# Altium PCB PCB_IoT_Source.PcbDoc
Units mm, origin at the board's own origin, x right, y up, seen from the top; angles counter-clockwise.
Board outline 43.02 x 63 mm, 2 copper layers (Top Layer, Bottom Layer), stack 1.571 mm thick; 69 components, 29 nets, 129 pads, 23 vias.
Unrouted connection lines stored in the file: 1.
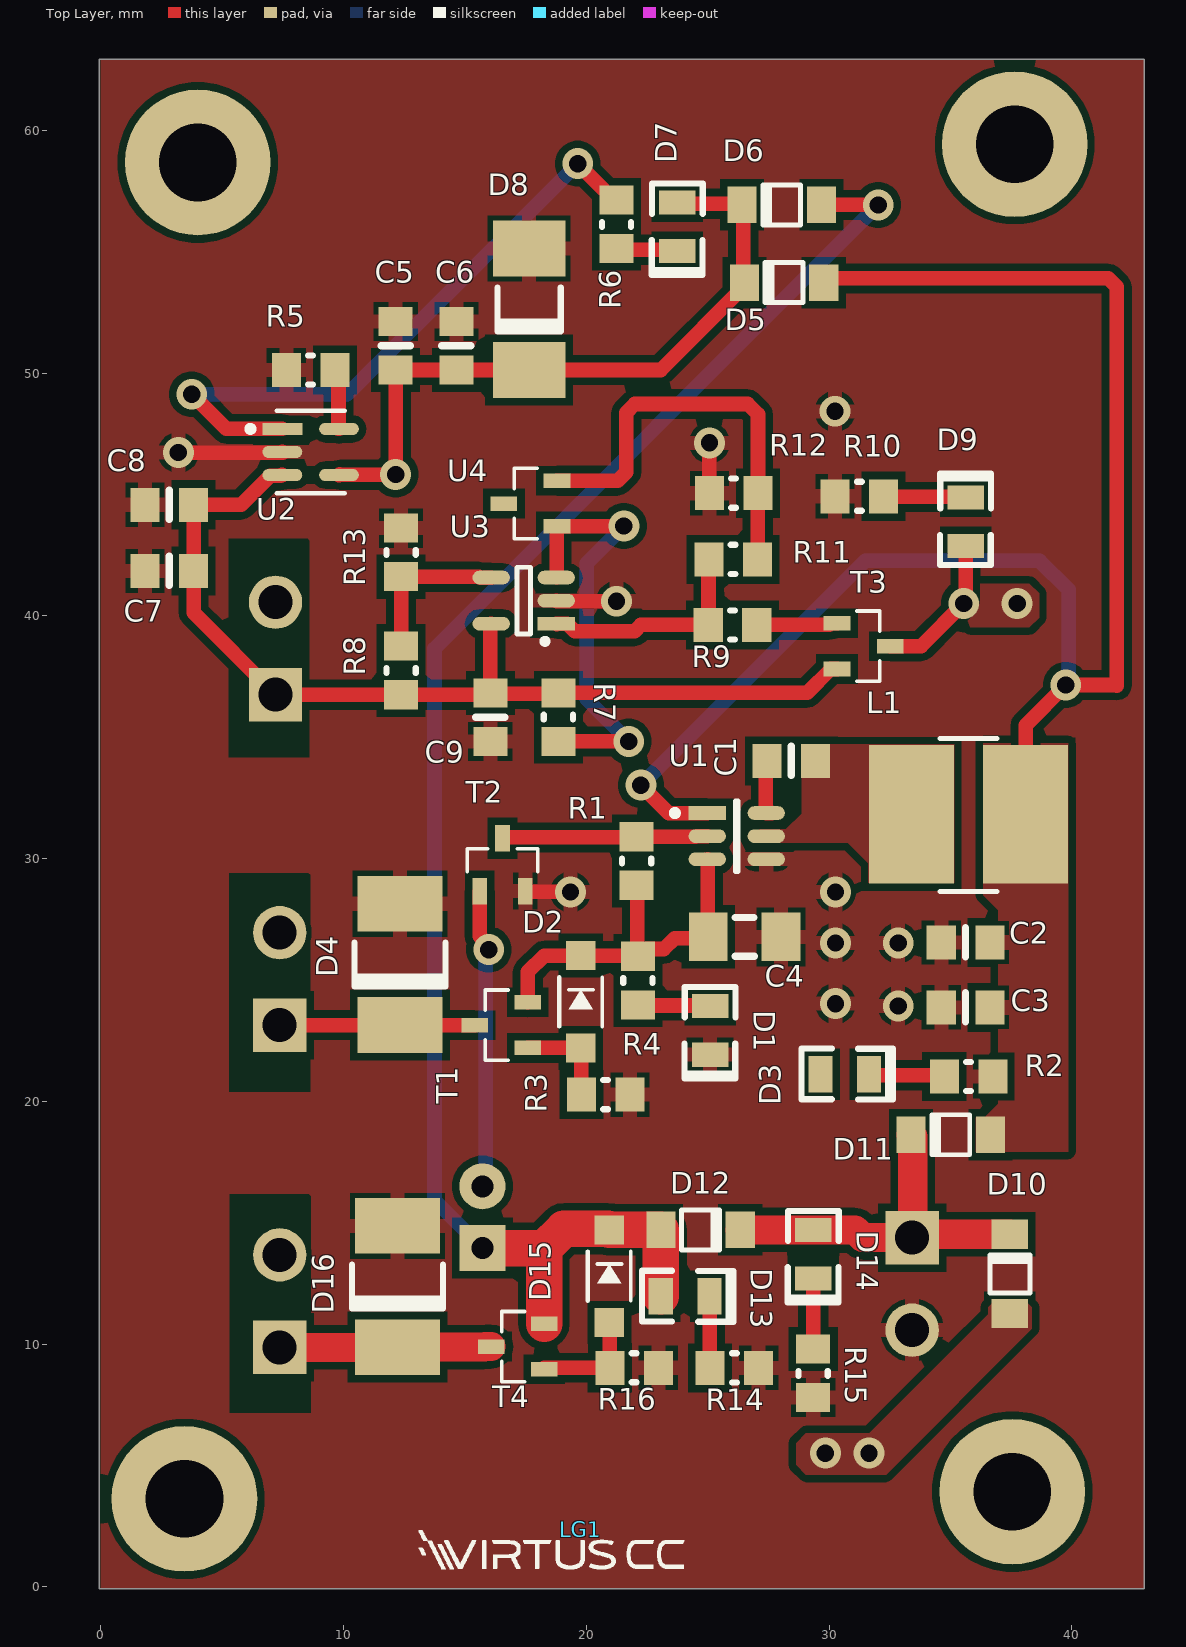
[diagram p0: Top Layer view]
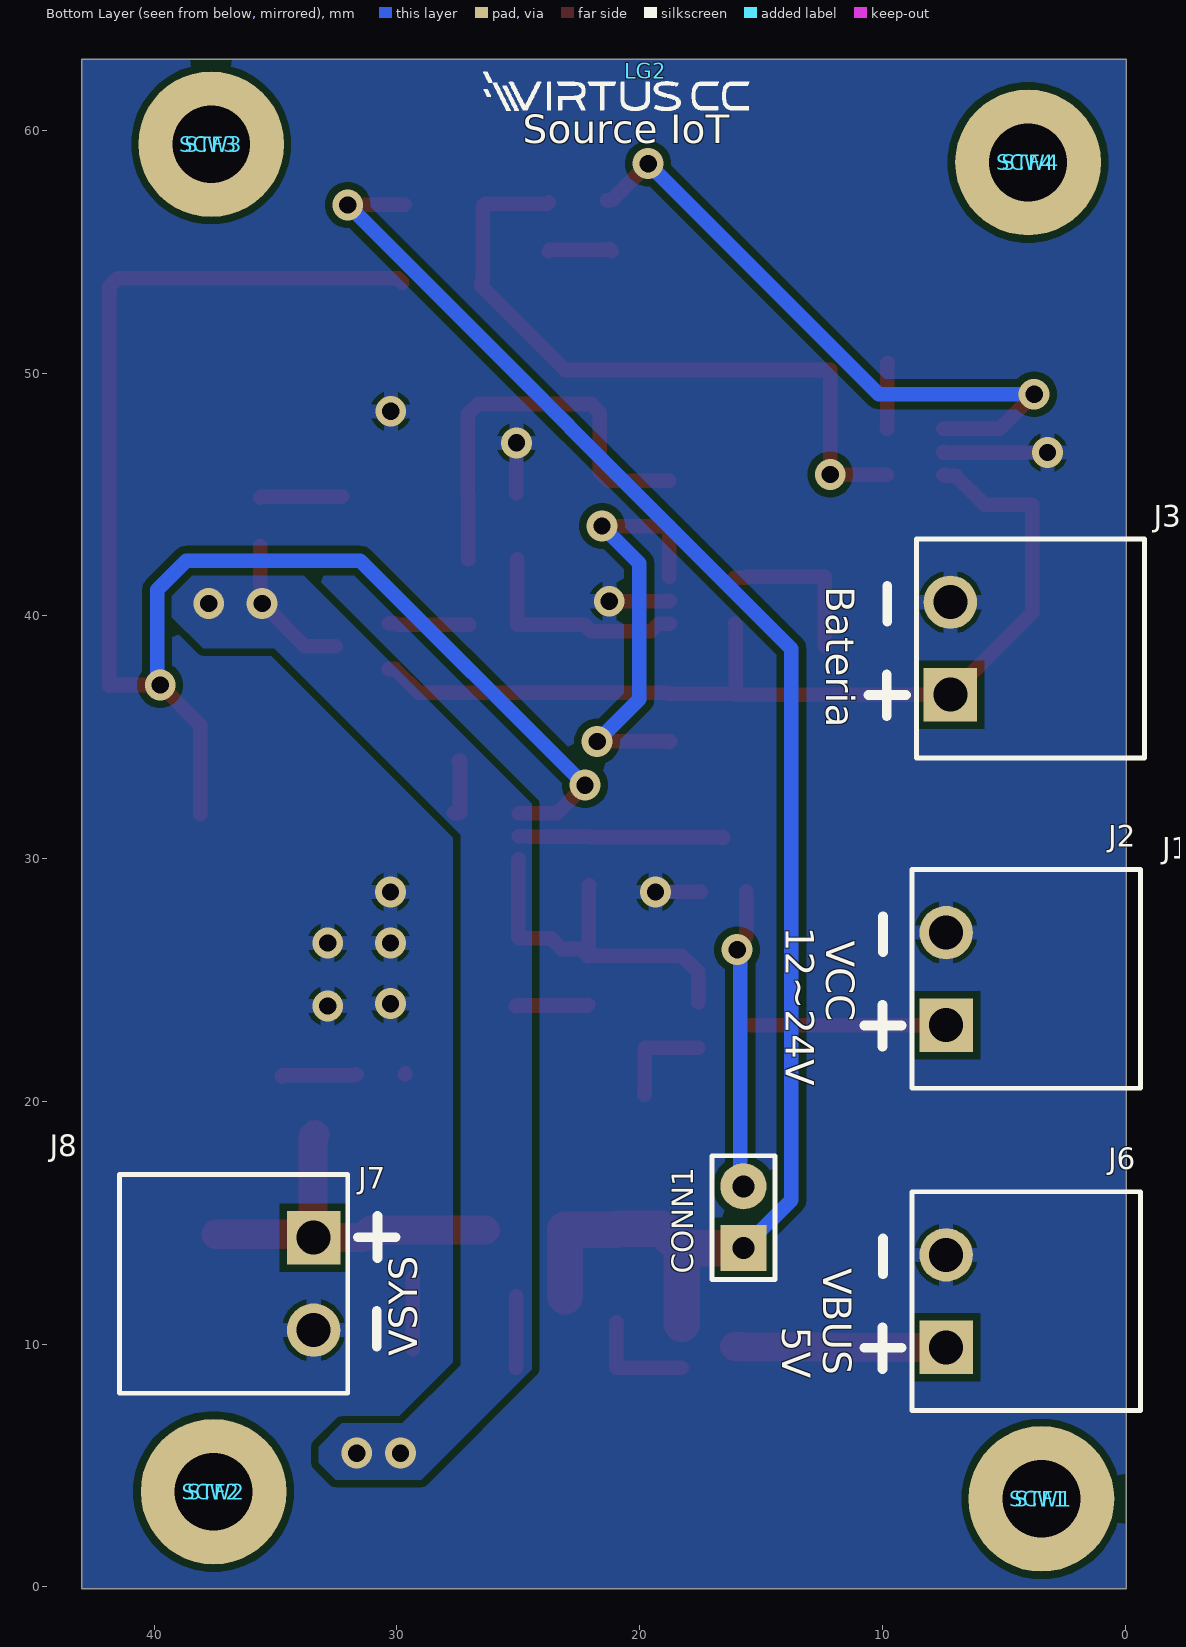
[diagram p1: Bottom Layer view, seen from below]
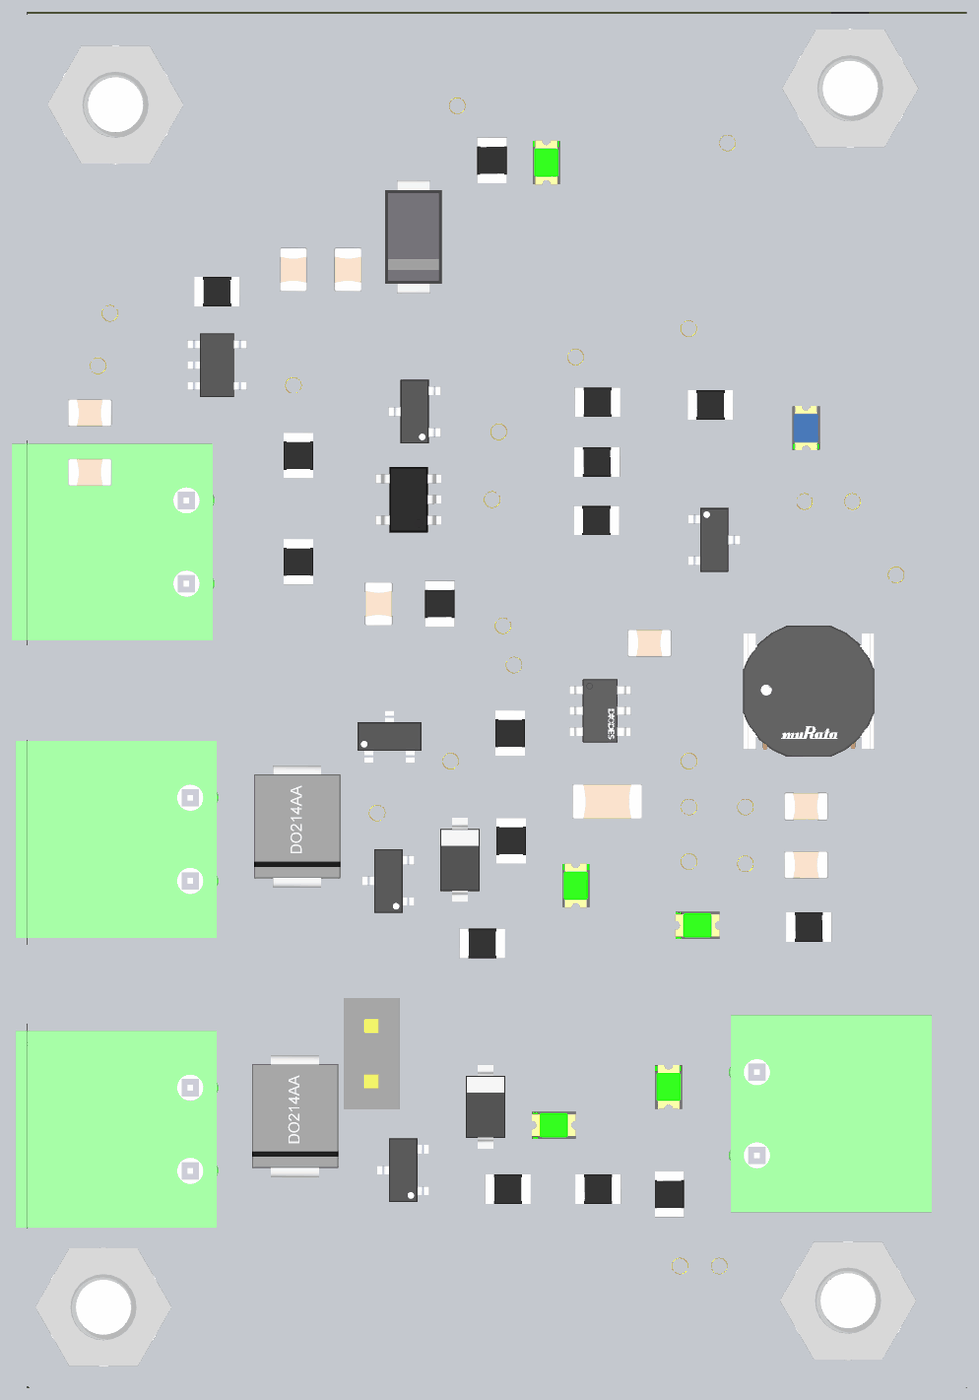
[diagram p2: 3D render of the assembled board from above, using the file's embedded part models]
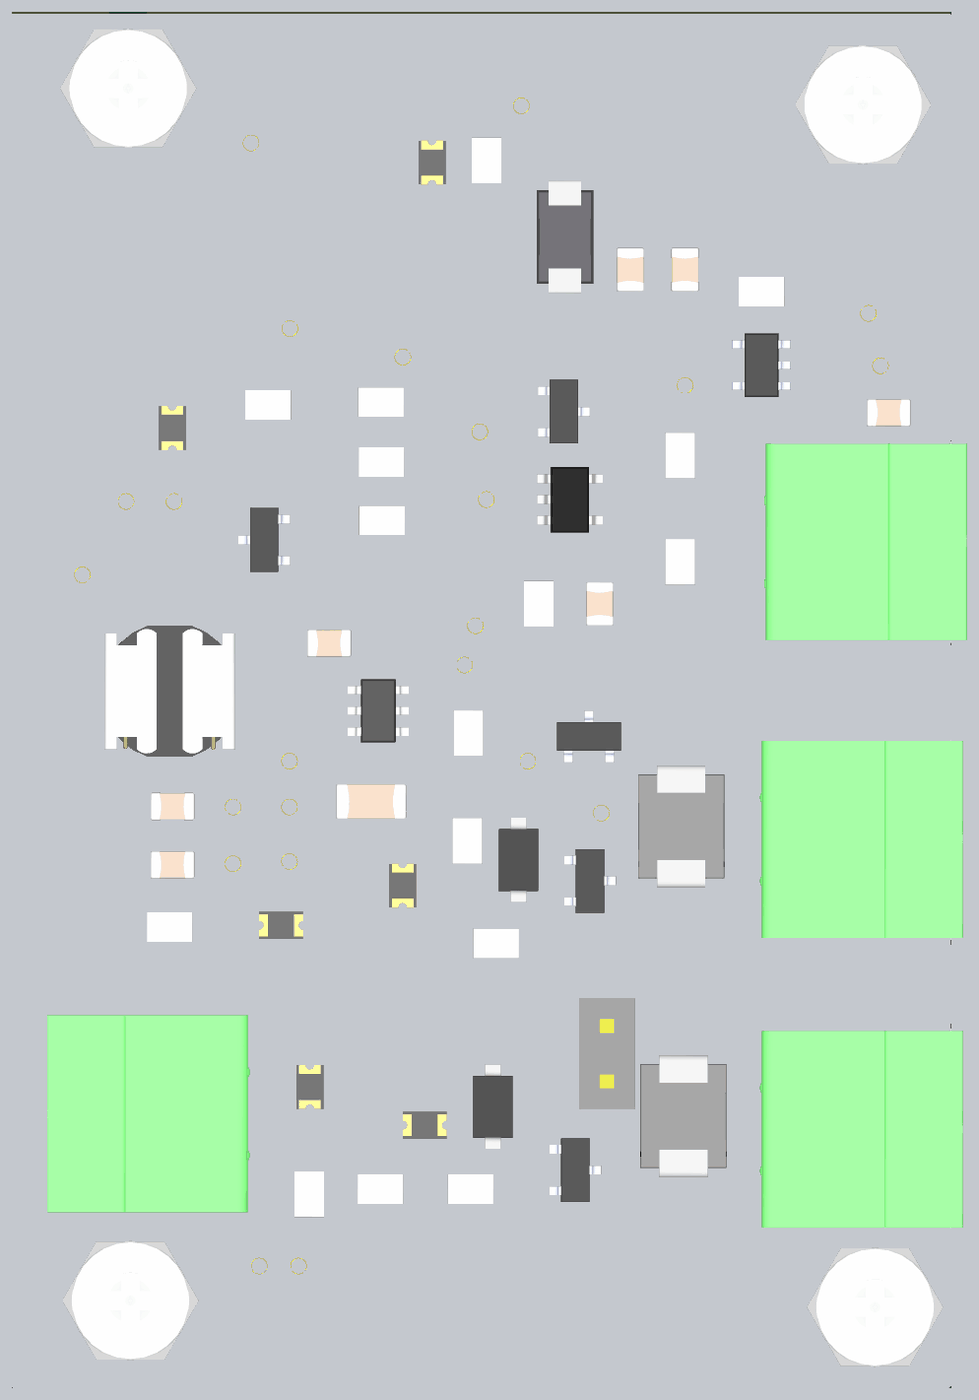
[diagram p3: 3D render of the assembled board from below, using the file's embedded part models]

## Layer stack, top to bottom
Top Solder: solder mask 0.0254, SM-003, Dk 4
Top Layer: signal copper 0.0356
Dielectric 1: dielectric 1.5, FR-4, Dk 4.8
Bottom Layer: signal copper 0.0356
Bottom Solder: solder mask 0.0254, SM-003, Dk 4

## Board outline
-0.05,-0.075 42.975,-0.075 42.975,62.925 -0.05,62.925

## Design rules (kind name [scope] priority, off if disabled: settings)
Clearance [All] p1: gap=0.3 ignorepadtopadclearanceinfootprint=FALSE
ComponentClearance ComponentClearance_1 [InComponent('SCW1', 'SCW2', 'SCW3', 'SCW4', 'STF1', 'STF2', 'STF3', 'STF4')] p1: gap=0.254 collisioncheckmode=3 verticalgap=0.254 showdistances=FALSE
ComponentClearance [All] p2: gap=0.254 collisioncheckmode=3 verticalgap=0.254 showdistances=FALSE
HoleSize [All] p1: absolutevalues=TRUE maxlimit=3.2 minlimit=0.5 maxpercent=80.000 minpercent=20.000
MinimumSolderMaskSliver [All] p1: minsoldermaskwidth=0.1
PolygonConnect PolygonConnect_3 [InNet('+3.7V')] p1: connectstyle=Direct reliefconductorwidth=0.254 reliefentries=4 polygonreliefangle="90 Angle" airgapwidth=0.254
PolygonConnect PolygonConnect_2 [HasFootprint('DG6045C', 'SOD-123F') vs InNet('+5V_Ext')] p2: connectstyle=Direct reliefconductorwidth=0.254 reliefentries=4 polygonreliefangle="90 Angle" airgapwidth=0.254
PolygonConnect PolygonConnect_1 [InNet('NetC1_2')] p3: connectstyle=Direct reliefconductorwidth=0.254 reliefentries=4 polygonreliefangle="90 Angle" airgapwidth=0.254
PolygonConnect [All] p4: connectstyle=Relief reliefconductorwidth=0.6 reliefentries=4 polygonreliefangle="90 Angle" airgapwidth=0.2
RoutingVias [All] p1: holewidth=0.7 width=1.4 viastyle="Through Hole" minholewidth=0.7 minwidth=1.4 maxholewidth=0.7 maxwidth=1.4
SilkToSilkClearance [All] p1: silktosilkclearance=0.1
SilkToSolderMaskClearance [IsPad] p1: minsilkscreentomaskgap=0.1 clearancetoexposedcopper=TRUE
SolderMaskExpansion [All] p1: expansion=0.102 istentingtop=FALSE
SupplyNets "Schematic Supply Nets_7" [InNet('+5V_USB')] p1: voltage=0.000
SupplyNets "Schematic Supply Nets_6" [InNet('+3.7V')] p2: voltage=0.000
SupplyNets "Schematic Supply Nets_5" [InNet('VSYS')] p3: voltage=0.000
SupplyNets "Schematic Supply Nets_4" [InNet('VCC')] p4: voltage=0.000
SupplyNets "Schematic Supply Nets_3" [InNet('GND')] p5: voltage=0.000
SupplyNets "Schematic Supply Nets_2" [InNet('VBUS')] p6: voltage=0.000
SupplyNets "Schematic Supply Nets_1" [InNet('+5V_Ext')] p7: voltage=0.000
SupplyNets "Schematic Supply Nets" [InNet('V_Battery')] p8: voltage=0.000
Width [All] p1: maxlimit=2 minlimit=0.3 preferedwidth=0.6
25 further rules are at their usual default settings.

## Classes and differential pairs
component class Mecânica: LG1 LG2 SCW1 SCW2 SCW3 SCW4 STF1 STF2 STF3 STF4

## Components (designator, comment, footprint, x,y, rotation, side; value= is the part's Value field where it differs from the comment)
C1 "CL21B104KACNNNC" C-0805 28.45,34.025 r0 top value=100nF
C2 "CL21A226MAYNNNE" C-0805 35.625,26.55 r180 top value=22uF
C3 "CL21A226MAYNNNE" C-0805 35.625,23.875 r180 top value=22uF
C4 "CL31A106KBHNNNE" C-1206 26.525,26.775 r0 top value=10uF
C5 "CL21B104KACNNNC" C-0805 12.15,51.125 r90 top value=100nF
C6 "C2012X5R1E475K125AB" C-0805 14.65,51.125 r90 top value=4.7uF
C7 "CL21B104KACNNNC" C-0805 2.825,41.85 r180 top value=100nF
C8 "C2012X5R1E475K125AB" C-0805 2.825,44.575 r180 top value=4.7uF
C9 "CL21B104KACNNNC" C-0805 16.05,35.825 r270 top value=100nF
CONN1 "TSW-101-07-G-D" HDR2X1 15.725,13.96 r90 bottom
D1 "LTST-C170GKT" 0805-LED-G 25.1,22.925 r90 top
D2 "MMSZ5245B-TP" SOD-123 19.775,24.1 r270 top
D3 "LTST-C170GKT" 0805-LED-G 30.65,21.125 r180 top
D4 "SMBJ28CAQ-13-F" DO-214AA 12.325,25.64 r90 top
D5 "MBR120VLSFT1G" SOD-123F 28.15,53.725 r0 top
D6 "MBR120VLSFT1G" SOD-123F 28.05,56.925 r0 top
D7 "LTST-C170GKT" 0805-LED-G 23.75,56.025 r90 top
D8 "SMAJ5.0A-13-F" DO-214AC 17.65,52.625 r90 top
D9 "LTST-C171TBKT" 0805-LED-B 35.625,43.875 r270 top
D10 "MBR120VLSFT1G" SOD-123F 37.45,12.89 r270 top
D11 "MBR120VLSFT1G" SOD-123F 35.015,18.625 r0 top
D12 "MBR120VLSFT1G" SOD-123F 24.71,14.705 r180 top
D13 "LTST-C170GKT" 0805-LED-G 24.075,11.975 r180 top
D14 "LTST-C170GKT" 0805-LED-G 29.35,13.705 r90 top
D15 "MMSZ5245B-TP" SOD-123 20.95,12.8 r270 top
D16 "SMBJ28CAQ-13-F" DO-214AA 12.225,12.375 r90 top
J1 "5447861" 5447861 -17.675,20.7 r90 bottom
J2 "5444262" 5444262 7.375,23.14 r90 bottom
J3 "5444262" 5444262 7.2,36.75 r90 bottom
J4 "5447861" 5447861 -17.825,34.375 r90 bottom
J5 "5447861" 5447861 -17.8,7.525 r90 bottom
J6 "5444262" 5444262 7.375,9.865 r90 bottom
J7 "5444262" 5444262 33.425,14.385 r270 bottom
J8 "5447861" 5447861 59.025,16.85 r270 bottom
L1 "1255AY-4R7M=P3" DG6045C 35.75,31.825 r0 top value=4.7uH
LG1 "Logo_Virtus" Logo_VirtusCC 19.775,2.375 r0 top
LG2 "Logo_Virtus" Logo_VirtusCC 19.75,62.45 r180 bottom
R1 "CRGCQ0805F100K" R-0805 22.075,29.9 r270 top value=100kR
R2 "CRGCQ0805J470R" R-0805 35.75,21.025 r180 top value=470R
R3 "RC0805FR-0710KL" R-0805 20.8,20.275 r180 top value=10kR
R4 "RC0805FR-071KL" R-0805 22.125,24.975 r90 top value=1kR
R5 "ERJ-6ENF2001V" R-0805 8.65,50.125 r0 top value=2kR
R6 "CRGCQ0805J470R" R-0805 21.25,56.125 r270 top value=470R
R7 "RC0805FR-0710KL" R-0805 18.85,35.825 r90 top value=10kR
R8 "CRGCQ0805F100K" R-0805 12.375,37.75 r270 top value=100kR
R9 "RC0805FR-071ML" R-0805 26.025,39.625 r0 top value=1MR
R10 "CRGCQ0805J470R" R-0805 31.25,44.925 r0 top value=470R
R11 "RC0805FR-07270KL" R-0805 26.05,42.325 r0 top value=270kR
R12 "RC0805FR-0716KL" R-0805 26.075,45.05 r0 top value=16kR
R13 "RC0805FR-13330KL" R-0805 12.375,42.613 r270 top value=330kR
R14 "CRGCQ0805J470R" R-0805 26.1,9.025 r180 top value=470R
R15 "CRGCQ0805J470R" R-0805 29.35,8.8 r90 top value=470R
R16 "RC0805FR-0710KL" R-0805 21.972,9.027 r180 top value=10kR
SCW1 "SCREW_M3" SCREWM3 3.45,3.625 r180 bottom
SCW2 "SCREW_M3" SCREWM3 37.55,3.925 r180 bottom
SCW3 "SCREW_M3" SCREWM3 37.65,59.425 r180 bottom
SCW4 "SCREW_M3" SCREWM3 4,58.675 r180 bottom
STF1 "R30-1011502" R30-1011502 3.45,3.625 r180 bottom
STF2 "R30-1011502" R30-1011502 37.55,3.925 r180 bottom
STF3 "R30-1011502" R30-1011502 37.65,59.425 r180 bottom
STF4 "R30-1011502" R30-1011502 4,58.675 r180 bottom
T1 "DMP4065S-7" SOT23-3 16.5,23.14 r0 top
T2 "DDTC143ZCA-7-F" SOT23-3 16.55,29.75 r270 top
T3 "PJA3415_R1_00001" SOT23-3 31.425,38.75 r180 top
T4 "DMP4065S-7" SOT23-3 17.175,9.9 r0 top
U1 "AP63205WU-7" TSOT-23-6_A 26.2,30.925 r0 top
U2 "MCP73831T-2ACI/OT" SOT-23-5_A 8.65,46.75 r0 top
U3 "TLV7031QDBVRQ1" SOT-753 17.425,40.625 r180 top
U4 "LM4041DYM3-1.2-TR" SOT23-3 17.7,44.625 r0 top

## Footprints (in the part's own frame and the unit in brackets; to place one, negate y for a bottom-side part, rotate by r counter-clockwise, add the part's x,y. Pads: shape width x height; smd on the part's side, far side on the other; paste and mask are expansions set on the pad)
0805-LED-B [mm]
  rect 1x1.5 smd: 1(-1,0) 2(1,0)
  silkscreen extent -2.02,-1.05 1.78,1.05, body extent -1.01,-0.62 1.01,0.63, height 1.1
0805-LED-G [mm]
  rect 1x1.5 smd: 1(-1,0) 2(1,0)
  silkscreen extent -2.02,-1.05 1.78,1.05, body extent -1.01,-0.6 1.01,0.65, height 1.1
5444262 [mm]
  rect 2.2x2.2 hole 1.4: 1(0,0)
  round 2.2 hole 1.4: 2(3.81,0)
  silkscreen extent -2.6,-8 6.41,1.4, body extent -2.6,-7.95 6.41,1.34, height 7.25
5447861 [mm]
  body extent 0,0 8.41,16.1, height 7.7
C-0805 [mm]
  rect 1.2x1.4 smd: 1(-1,0) 2(1,0)
  silkscreen extent 0,-0.6 0,0.6, body extent -1,-0.63 1,0.63, height 0.81
C-1206 [mm]
  rect 1.6x2 smd: 1(-1.5,0) 2(1.5,0)
  silkscreen extent -0.4,-0.8 0.4,0.8, body extent -1.6,-0.8 1.6,0.8, height 1.16
DG6045C [mm]
  rect 3.5x5.7 smd: 1(-2.35,0) 2(2.35,0)
  silkscreen extent -1.17,-3.17 1.17,3.12, body extent -3,-3 3,3, height 4.5
DO-214AA [mm]
  rect 2.3x3.5 smd mask+0.1: 1(-2.5,0) 2(2.5,0)
  silkscreen extent -0.9,-2 0.9,2, body extent -2.79,-1.97 2.79,1.97, height 2.65
DO-214AC [mm]
  rect 2.3x3 smd mask+0.1: 1(-2.5,0) 2(2.5,0)
  silkscreen extent -0.9,-1.3 0.9,1.3, body extent -2.6,-1.3 2.6,1.3, height 2.4
HDR2X1 [mm]
  rect 1.9x1.9 hole 0.9: 1(0,0)
  round 1.9 hole 0.9: 2(2.54,0)
  silkscreen extent -1.3,-1.3 3.8,1.3, body extent -1.27,-1.27 3.81,1.27, height 8.38
Logo_VirtusCC [mm]
  silkscreen extent -6.68,-1.64 4.27,-0.05
R30-1011502 [mm]
  body extent -3.12,-2.7 3.12,2.7
R-0805 [mm]
  rect 1.2x1.4 smd: 1(-1,0) 2(1,0)
  silkscreen extent -0.1,-0.6 0.1,0.6, body extent -1.05,-0.67 1.05,0.68, height 0.6
SCREWM3 [mm]
  body extent -2.72,-2.73 2.72,2.73, height 1.72
SOD-123 [mm] "On Semi recommended land pattern"
  rect 1.2x1.22 smd: 1(-1.905,0) 2(1.905,0)
  silkscreen extent -1.02,-0.89 1.02,0.89, body extent -1.93,-0.9 1.93,0.9, height 1.35
SOD-123F [mm]
  rect 1.2x1.5 smd: 1(-1.635,0) 2(1.635,0)
  silkscreen extent -0.78,-0.82 0.78,0.82, body extent -1.9,-0.9 1.9,0.9, height 1.02
SOT23-3 [mm]
  rect 1.1x0.6 smd: 1(1.092,-0.94) 2(1.092,0.94) 3(-1.092,0)
  silkscreen extent -0.66,-1.45 0.28,1.45, body extent -1.18,-1.46 1.19,1.46, height 1.12
SOT-23-5_A [mm]
  rect 1.638x0.5 smd paste+0 mask+0: 1(-1.166,0.95)
  rrect100% 1.638x0.5 smd paste+0 mask+0: 2(-1.166,0) 3(-1.166,-0.95) 4(1.166,-0.95) 5(1.166,0.95)
  silkscreen extent -2.61,-1.7 1.4,1.7, body extent -1.35,-1.45 1.35,1.45, height 1.45
SOT-753 [mm]
  rect 1.54x0.566 smd: 1(-1.341,0.95)
  rrect100% 1.54x0.566 smd: 2(-1.341,0) 3(-1.341,-0.95) 4(1.341,-0.95) 5(1.341,0.95)
  silkscreen extent -0.98,-1.38 0.28,1.77, body extent -1.5,-1.47 1.5,1.53, height 1.46
TSOT-23-6_A [mm]
  rect 1.54x0.566 smd paste+0 mask+0: 1(-1.216,0.95)
  rrect100% 1.54x0.566 smd paste+0 mask+0: 2(-1.216,0) 3(-1.216,-0.95) 4(1.216,-0.95) 5(1.216,0) 6(1.216,0.95)
  silkscreen extent -2.67,-1.45 0.05,1.45, body extent -2.49,-1.95 2.49,1.95, height 0.25

## Part data
C1 C5 C7 C9: "CAP CER 0.1UF 25V X7R 0805", Case Code (Imperial)=0805, Case Code (Metric)=2012, Dielectric=X7R, Manufacturer=Samsung, Max Operating Temperature=125°C, Min Operating Temperature=-55°C, Package Quantity=1, Supplier Part Number=1276-1099-1-ND, Tolerance=10%, Voltage=25V, Case/Package=0805, Category="Ceramic Capacitors", ComponentLink1Description=https://datasheet.ciiva.com/25801/cl21b104kacnnnc-25801824.pdf?src-supplier=Digikey, ComponentLink1URL=https://datasheet.ciiva.com/25801/cl21b104kacnnnc-25801824.pdf?src-supplier=Digikey, ComponentLink2Description=https://datasheet.ciiva.com/15216/getdatasheetpartid-355204-15216236.pdf?src-supplier=Verical, ComponentLink2URL=https://datasheet.ciiva.com/15216/getdatasheetpartid-355204-15216236.pdf?src-supplier=Verical, Construction=Flat, Depth=1.25mm, Height=0.85mm, Length=2mm, Manufacturer Part Number=CL21B104KACNNNC, Material=Ceramic, Mounting Technology="Surface Mount", Packaging="Tape and Reel", Pricing="1=0,1, 10=0,031, 50=0,0208, 100=0,0178, 500=0,01262, 1000=0,01102 (USD)", Radiation Hardening=No, RoHS=Yes, RoHS Compliant=Yes, Series=CL, Stock=257719, Supplier=Digikey, Supplier 1=Digikey, Supplier 2=Mouser, Supplier Part Number 1=1276-1099-1-ND, Supplier Part Number 2=187-CL21B104KACNNNC, Thickness=0.037inch, Voltage Rating=25V, Voltage Rating (DC)=25V, Width=0.049inch
C2 C3: "CAP CER 22UF 25V X5R 0805", Case/Package=0805, Dielectric=X5R, Manufacturer=Samsung, Max Operating Temperature=85°C, Min Operating Temperature=-55°C, Supplier Part Number=1276-CL21A226MAYNNNECT-ND, Supplier Part Number 1=187-CL21A226MAYNNNE, Tolerance=20%, Voltage Rating=25V, Category="Ceramic Capacitors", ComponentLink1Description=https://datasheet.octopart.com/CL21A226MAYNNNE-Samsung-Electro-Mechanics-datasheet-149154243.pdf?src-supplier=Future+Electronics, ComponentLink1URL=https://datasheet.octopart.com/CL21A226MAYNNNE-Samsung-Electro-Mechanics-datasheet-149154243.pdf?src-supplier=Future+Electronics, ComponentLink2Description=https://datasheet.octopart.com/CL21A226MAYNNNE-Samsung-datasheet-8326407.pdf?src-supplier=TME, ComponentLink2URL=https://datasheet.octopart.com/CL21A226MAYNNNE-Samsung-datasheet-8326407.pdf?src-supplier=TME, Height=1.45mm, Manufacturer Part Number=CL21A226MAYNNNE, Material=Ceramic, Pricing="1=0,26, 10=0,147, 50=0,1048, 100=0,0917, 500=0,06924, 1000=0,06226 (USD)", RoHS=Yes, RoHS Compliant=Yes, Stock=930898, Supplier=Digikey, Supplier 1=Mouser, Supplier 2=Digikey, Supplier Part Number 2=1276-CL21A226MAYNNNECT-ND, Voltage Rating (DC)=25V
C4: "CAP CER 10UF 50V X5R 1206", Case Code (Imperial)=1206, Case Code (Metric)=3216, Dielectric=X5R, Manufacturer=Samsung, Max Operating Temperature=85°C, Min Operating Temperature=-55°C, Package Quantity=1, Supplier Part Number=1276-2876-1-ND, Supplier Part Number 1=187-CL31A106KBHNNNE, Tolerance=10%, Voltage Rating=50V, Case/Package=1206, Category="Ceramic Capacitors", ComponentLink1Description=https://datasheet.ciiva.com/25726/cl31a106kbhnnne-25726404.pdf?src-supplier=Digikey, ComponentLink1URL=https://datasheet.ciiva.com/25726/cl31a106kbhnnne-25726404.pdf?src-supplier=Digikey, ComponentLink2Description=https://datasheet.ciiva.com/15216/getdatasheetpartid-353196-15216238.pdf?src-supplier=Verical, ComponentLink2URL=https://datasheet.ciiva.com/15216/getdatasheetpartid-353196-15216238.pdf?src-supplier=Verical, ComponentLink3Description=https://datasheet.ciiva.com/29201/452492-da-01-en-vs-kondensator-1206-29201107.pdf?src-supplier=Conrad, ComponentLink3URL=https://datasheet.ciiva.com/29201/452492-da-01-en-vs-kondensator-1206-29201107.pdf?src-supplier=Conrad, ComponentLink4Description=https://datasheet.ciiva.com/16437/cl05b104kq5nnnc-16437222.pdf?src-supplier=Future+Electronics, ComponentLink4URL=https://datasheet.ciiva.com/16437/cl05b104kq5nnnc-16437222.pdf?src-supplier=Future+Electronics, Construction=Flat, Depth=1.6mm, Height=1.6mm, Lead Free="Lead Free", Length=3.2mm, Manufacturer Part Number=CL31A106KBHNNNE, Material=Ceramic, Mounting Technology="Surface Mount", Packaging="Tape and Reel", Pricing="1=0,36, 10=0,212, 50=0,153, 100=0,1346, 500=0,1033, 1000=0,09353 (USD)", Radiation Hardening=No, RoHS=Yes, RoHS Compliant=Yes, Series=CL, Stock=1123063, Supplier=Digikey, Supplier 1=Mouser, Supplier 2=DigiKey, Supplier Part Number 2=1276-2876-1-ND, Thickness=0.071inch, Voltage Rating (DC)=50V, Width=0.063inch
C6 C8: "CAP CER 4.7UF 25V X5R 0805", Case Code (Imperial)=0805, Case Code (Metric)=2012, Dielectric=X5R, Dielectric Material=Ceramic, Manufacturer=TDK, Max Operating Temperature=85°C, Min Operating Temperature=-55°C, Package Quantity=2000, Supplier Part Number=445-4116-1-ND, Supplier Part Number 1=810-C2012X5R1E475K, Tolerance=10%, Voltage=25V, Case/Package=0805, Category="Ceramic Capacitors", ComponentLink1Description=https://datasheet.ciiva.com/24216/tdkmlcccaprange-24216480.pdf?src-supplier=Mouser, ComponentLink1URL=https://datasheet.ciiva.com/24216/tdkmlcccaprange-24216480.pdf?src-supplier=Mouser, ComponentLink2Description=https://datasheet.ciiva.com/11788/0900766b80c1bb00-11788107.pdf?src-supplier=Rs, ComponentLink2URL=https://datasheet.ciiva.com/11788/0900766b80c1bb00-11788107.pdf?src-supplier=Rs, ComponentLink3Description=https://datasheet.ciiva.com/6251/tdkmlcccaprange-6251817.pdf?src-supplier=Digikey, ComponentLink3URL=https://datasheet.ciiva.com/6251/tdkmlcccaprange-6251817.pdf?src-supplier=Digikey, ComponentLink4Description=https://datasheet.ciiva.com/6251/tdkmlcccaprange-6251820.pdf?src-supplier=Digikey, ComponentLink4URL=https://datasheet.ciiva.com/6251/tdkmlcccaprange-6251820.pdf?src-supplier=Digikey, ComponentLink5Description=https://datasheet.ciiva.com/6251/tdkmlcccaprange-6251823.pdf?src-supplier=Digikey, ComponentLink5URL=https://datasheet.ciiva.com/6251/tdkmlcccaprange-6251823.pdf?src-supplier=Digikey, ComponentLink6Description=https://datasheet.ciiva.com/28602/1744655-28602173.pdf?src-supplier=Element14, ComponentLink6URL=https://datasheet.ciiva.com/28602/1744655-28602173.pdf?src-supplier=Element14, ComponentLink7Description=https://datasheet.ciiva.com/36857/1796654-36857301.pdf?src-supplier=Element14, ComponentLink7URL=https://datasheet.ciiva.com/36857/1796654-36857301.pdf?src-supplier=Element14, ComponentLink8Description=https://datasheet.ciiva.com/16449/e412-c-16449599.pdf?src-supplier=Future+Electronics, ComponentLink8URL=https://datasheet.ciiva.com/16449/e412-c-16449599.pdf?src-supplier=Future+Electronics, Construction=Flat, Depth=1.25mm, Height=1.25mm, Lead Free="Lead Free", Length=2mm, Manufacturer Part Number=C2012X5R1E475K125AB, Material=Ceramic, Mounting Technology="Surface Mount", Packaging="Tape and Reel", Pins=2, Pricing="1=0,27, 10=0,158, 50=0,1126, 100=0,0984, 500=0,07452, 1000=0,06706 (USD)", Reach SVHC Compliant=No, RoHS=Yes, RoHS Compliant=Yes, Series=C, Stock=2075676, Supplier=Digikey, Supplier 1=Mouser, Supplier 2=Digikey, Supplier Part Number 2=445-4116-1-ND, Termination=SMD/SMT, Voltage Rating=25V, Voltage Rating (DC)=25V, Weight=0.000194oz, Width=1.25mm
CONN1: "CONN HEADER VERT 2POS", Flammability Rating="UL94 V-0", Housing Color=Black, Manufacturer=Samtec, Max Current Rating=7.6A, Max Operating Temperature=125°C, Max Voltage Rating (AC)=550V, Min Operating Temperature=-55°C, Supplier Part Number=SAM1028-01-ND, Supplier Part Number 1=200-TSW10107GD, Category=Connectors, ComponentLink1Description=https://datasheet.ciiva.com/6861/tsw-xxx-xx-xxx-x-xx-xxx-mkt-6861372.pdf?src-supplier=Digikey, ComponentLink1URL=https://datasheet.ciiva.com/6861/tsw-xxx-xx-xxx-x-xx-xxx-mkt-6861372.pdf?src-supplier=Digikey, ComponentLink2Description=https://datasheet.ciiva.com/48561/htsw-th-48561486.pdf?src-supplier=Avnet, ComponentLink2URL=https://datasheet.ciiva.com/48561/htsw-th-48561486.pdf?src-supplier=Avnet, Connector Type=Header, Contact Finish - Mating=GOLD, Contact Material=Bronze, Contact Plating=Gold, Contact Shape=Square, Contact Type="Male Pin", Depth=5.08mm, Fastening Type=Pull, Gender=Male, Housing Material=Polyester, Insulation Color=Black, Insulation Material=PBT, Lead Free="Lead Free", Length=2.54mm, Manufacturer Part Number=TSW-101-07-G-D, Mounting Technology="Through Hole", Number of Contacts=2, Number of Positions=2, Number of Rows=2, Orientation=Straight, Packaging=Bulk, Pricing="1=0,69, 10=0,52, 100=0,3968, 500=0,33166, 1000=0,308, 5000=0,26164, 10000=0,2449 (USD)", Reach SVHC Compliant=No, RoHS=Yes, RoHS Compliant=Yes, Series=TSW, Stock=1970, Supplier=Digikey, Supplier 1=Mouser, Supplier 2=Digikey, Supplier Part Number 2=SAM1028-01-ND, Termination=Solder, Width=5.08mm
D1 D3 D7 D13 D14: "LED GREEN CLEAR SMD", Case Code (Imperial)=0805, Case Code (Metric)=2012, Color=Green, Forward Current=30mA, Forward Voltage=2.1V, JLCPCB Part=C125090, Lens Color=Colorless, Manufacturer="Vishay Lite-On", Max Operating Temperature=85°C, Min Operating Temperature=-55°C, Package Quantity=1, Power Dissipation=100mW, Reverse Voltage=5V, Supplier Part Number 1=160-1179-1-ND, Test Current=10mA, Case/Package=0805, Category=LEDs, ComponentLink1Description=https://datasheet.ciiva.com/2110/ltst-c170gkt-2110128.pdf?src-supplier=Digi-Key, ComponentLink1URL=https://datasheet.ciiva.com/2110/ltst-c170gkt-2110128.pdf?src-supplier=Digi-Key, ComponentLink2Description=https://datasheet.ciiva.com/11773/0900766b80dc0278-11773630.pdf?src-supplier=RSComponents, ComponentLink2URL=https://datasheet.ciiva.com/11773/0900766b80dc0278-11773630.pdf?src-supplier=RSComponents, ComponentLink3Description=https://datasheet.ciiva.com/12400/lite-on-ltst-c170gkt-187191-12400783.pdf?src-supplier=Mouser, ComponentLink3URL=https://datasheet.ciiva.com/12400/lite-on-ltst-c170gkt-187191-12400783.pdf?src-supplier=Mouser, ComponentLink4Description=https://datasheet.ciiva.com/15117/getdatasheetpartid-142079-15117738.pdf?src-supplier=Verical, ComponentLink4URL=https://datasheet.ciiva.com/15117/getdatasheetpartid-142079-15117738.pdf?src-supplier=Verical, ComponentLink5Description=https://datasheet.ciiva.com/25772/ltst-c170gkt-25772881.pdf?src-supplier=Allied+Electronics, ComponentLink5URL=https://datasheet.ciiva.com/25772/ltst-c170gkt-25772881.pdf?src-supplier=Allied+Electronics, ComponentLink6Description=https://datasheet.ciiva.com/16387/ltst-c170gkt-16387357.pdf?src-supplier=Future+Electronics, ComponentLink6URL=https://datasheet.ciiva.com/16387/ltst-c170gkt-16387357.pdf?src-supplier=Future+Electronics, Depth=1.25mm, Dominant Wavelength=569nm, Height=1.1mm, Illumination Color=Green, Lead Free="Lead Free", Length=2mm, Lens Style=Diffused,Colorless,Rectangular, Lens Transparency=Clear, Luminous Intensity=6mcd, Manufacturer Part Number=LTST-C170GKT, Mount="Surface Mount", Number of Elements=1, Number of LEDs=1, Number of Pins=2, Packaging="Tape and Reel", Power Rating=100mW, Pricing 1="1=0,30000, 10=0,16000, 100=0,07440, 500=0,06870, 1000=0,05382 (USD)", Radiation Hardening=No, RoHS=Yes, RoHS Compliant=Yes, Series="CHIPLED 0805", Stock 1=753504, Supplier 1=Digi-Key, Supplier 2=Mouser, Supplier Part Number 2=859-LTST-C170GKT, Viewing Angle=130°, Voltage=5V, Wavelength=565nm, Width=1.25mm
D2 D15: "DIODE ZENER 15V 500MW SOD123", Manufacturer=MCC, Max Operating Temperature=150°C, Max Power Dissipation=500mW, Max Reverse Leakage Current=100nA, Min Operating Temperature=-55°C, Package Quantity=1, Supplier Part Number 1=MMSZ5245B-TPMSCT-ND, Test Current=8.5mA, Tolerance=5%, Zener Voltage=15V, Category="Zener Diodes", ComponentLink1Description=https://datasheet.ciiva.com/890/mmsz5221-mmsz5259sod123-890445.pdf?src-supplier=Digi-Key, ComponentLink1URL=https://datasheet.ciiva.com/890/mmsz5221-mmsz5259sod123-890445.pdf?src-supplier=Digi-Key, ComponentLink2Description=https://datasheet.ciiva.com/890/mmsz5221-mmsz5259sod123-890446.pdf?src-supplier=Digi-Key, ComponentLink2URL=https://datasheet.ciiva.com/890/mmsz5221-mmsz5259sod123-890446.pdf?src-supplier=Digi-Key, ComponentLink3Description=https://datasheet.ciiva.com/890/mmsz5221-mmsz5259sod123-890447.pdf?src-supplier=Digi-Key, ComponentLink3URL=https://datasheet.ciiva.com/890/mmsz5221-mmsz5259sod123-890447.pdf?src-supplier=Digi-Key, Element Configuration=Single, Impedance=16R, Lead Free="Lead Free", Manufacturer Part Number=MMSZ5245B-TP, Mount="Surface Mount", Number of Pins=2, Packaging="Tape and Reel", Power Dissipation=500mW, Pricing 1="1=0,22000, 10=0,17700, 100=0,09400, 500=0,06188, 1000=0,04208 (USD)", RoHS=Yes, Series=-, Stock 1=330368, Supplier 1=Digi-Key, Supplier 2=Mouser, Supplier 3="Arrow Electronics", Supplier Part Number 2=833-MMSZ5245B-TP, Supplier Part Number 3=MMSZ5245B-TP, Voltage Tolerance=5%
D4: "TVS DIODE 28VWM 45.4VC SMB", Case/Package=SMB, Clamping Voltage=45.4V, Manufacturer=Diodes, Max Operating Temperature=150°C, Min Breakdown Voltage=31.1V, Min Operating Temperature=-55°C, Peak Pulse Current=13.2A, Peak Pulse Power=600W, Power Line Protection=No, Resistor Type=Zener, Reverse Standoff Voltage=28V, Supplier Part Number 1=SMBJ28CAQ-13-FDICT-ND, Category="TVS Diodes", ComponentLink1Description=https://www.diodes.com/assets/Datasheets/ds40740.pdf?src-supplier=Digi-Key, ComponentLink1URL=https://www.diodes.com/assets/Datasheets/ds40740.pdf?src-supplier=Digi-Key, Manufacturer Part Number=SMBJ28CAQ-13-F, Mount="Surface Mount", Number of Bidirectional Channels=1, Packaging="Tape and Reel", Pricing 1="1=0,44000, 10=0,37900, 100=0,28310, 500=0,22240, 1000=0,17185 (USD)", RoHS=Yes, RoHS Compliant=Yes, Stock 1=16278, Supplier 1=Digi-Key, Supplier 2=Mouser, Supplier Part Number 2=621-SMBJ28CAQ-13-F
D5 D6 D10 D11 D12: "DIODE SCHOTTKY 20V 1A SOD123FL", Average Rectified Current=1A, Forward Voltage=340mV, Manufacturer="ON Semiconductor", Max Forward Surge Current (Ifsm)=45A, Max Operating Temperature=125°C, Max Repetitive Reverse Voltage (Vrrm)=20V, Max Reverse Current=600uA, Min Operating Temperature=-65°C, Package Quantity=3000, Supplier Part Number=MBR120VLSFT1GOSCT-ND, Category="Schottky Diodes", ComponentLink1Description=https://datasheet.ciiva.com/7962/85900-7962720.pdf?src-supplier=Element14, ComponentLink1URL=https://datasheet.ciiva.com/7962/85900-7962720.pdf?src-supplier=Element14, ComponentLink2Description=https://datasheet.ciiva.com/915/mbr120vlsft1-d-915659.pdf?src-supplier=Digikey, ComponentLink2URL=https://datasheet.ciiva.com/915/mbr120vlsft1-d-915659.pdf?src-supplier=Digikey, ComponentLink3Description=https://datasheet.ciiva.com/915/mbr120vlsft1-d-915660.pdf?src-supplier=Digikey, ComponentLink3URL=https://datasheet.ciiva.com/915/mbr120vlsft1-d-915660.pdf?src-supplier=Digikey, ComponentLink4Description=https://datasheet.ciiva.com/18435/70100467-18435526.pdf?src-supplier=Allied+Electronics, ComponentLink4URL=https://datasheet.ciiva.com/18435/70100467-18435526.pdf?src-supplier=Allied+Electronics, ComponentLink5Description=https://datasheet.ciiva.com/16392/mbr120vlsft1-d-16392906.pdf?src-supplier=Future+Electronics, ComponentLink5URL=https://datasheet.ciiva.com/16392/mbr120vlsft1-d-16392906.pdf?src-supplier=Future+Electronics, Current Rating=1A, Element Configuration=Single, Forward Current=1A, Halogen Free="Halogen Free", Height=0.035inch, Lead Free="Lead Free", Length=0.114inch, Manufacturer Part Number=MBR120VLSFT1G, Max Reverse Leakage Current=600uA, Max Reverse Voltage (DC)=20V, Max Surge Current=45A, Output Current=1A, Packaging="Tape and Reel", Peak Non-Repetitive Surge Current=45A, Pins=2, Polarity=Standard, Pricing="1=0,56, 10=0,348, 100=0,2217, 500=0,16708, 1000=0,14944 (USD)", Radiation Hardening=No, Reach SVHC Compliant=No, RoHS=Yes, RoHS Compliant=Yes, Series=-, Stock=20847, Supplier=Digikey, Supplier 1=Digikey, Supplier 2=Mouser, Supplier Part Number 1=MBR120VLSFT1GOSCT-ND, Supplier Part Number 2=863-MBR120VLSFT1G, Voltage Rating (DC)=20V, Width=0.071inch
D8: "TVS DIODE 5VWM 9.2VC SMA", Breakdown Voltage=6.4V, Capacitance=2nF, Case/Package=SMA, Clamping Voltage=9.2V, Forward Voltage=3.5V, JLCPCB Part=C87074, Leakage Current=800uA, Manufacturer=Diodes, Max Breakdown Voltage=7.25V, Max Operating Temperature=150°C, Max Output Current=43.5A, Max Power Dissipation=400W, Max Surge Current=40A, Min Operating Temperature=-55°C, Package Quantity=5000, Power Line Protection=No, Resistor Type=Zener, Reverse Standoff Voltage=5V, Supplier Part Number 1=SMAJ5.0A-FDICT-ND, Test Current=10mA, Category="TVS Diodes", Clamping Voltage-Max=9.2V, ComponentLink1Description=https://datasheet.ciiva.com/27052/1542127-27052431.pdf?src-supplier=Jameco, ComponentLink1URL=https://datasheet.ciiva.com/27052/1542127-27052431.pdf?src-supplier=Jameco, ComponentLink2Description=https://datasheet.ciiva.com/22696/1670961-22696859.pdf?src-supplier=Element14, ComponentLink2URL=https://datasheet.ciiva.com/22696/1670961-22696859.pdf?src-supplier=Element14, ComponentLink3Description=https://datasheet.ciiva.com/26933/getdatasheetpartid-35116-26933158.pdf?src-supplier=Verical, ComponentLink3URL=https://datasheet.ciiva.com/26933/getdatasheetpartid-35116-26933158.pdf?src-supplier=Verical, Contact Plating=Tin,Matte, Diode Type=ZENER, Direction=Unidirectional, Element Configuration=Single, ESD Protection=No, Height=2.1mm, Lead Free="Lead Free", Length=4.6mm, Manufacturer Part Number=SMAJ5.0A-13-F, Max Reverse Leakage Current=800uA, Min Breakdown Voltage=6.4V, Mount="Surface Mount", Number of Elements=1, Number of Pins=2, Number of Unidirectional Channels=1, Packaging="Tape and Reel", Peak Pulse Current=43.5A, Peak Pulse Power=400W, Polarity=Unidirectional, Power Dissipation=400W, Pricing 1="1=0,42000, 10=0,31700, 100=0,19770, 500=0,13528, 1000=0,10406, 2000=0,09366 (USD)", Radiation Hardening=No, REACH SVHC="No SVHC", Reverse Breakdown Voltage=6.4V, RoHS=Yes, RoHS Compliant=Yes, Series=-, Stock 1=435542, Supplier 1=Digi-Key, Supplier 2=Mouser, Supplier 3="Arrow Electronics", Supplier 4=Digi-Key, Supplier 5=Mouser, Supplier 6=Digi-Key, Supplier 7=Mouser, Supplier Part Number 2=621-SMAJ5.0A-13-F, Supplier Part Number 3=SMAJ5.0A-13-F, Supplier Part Number 4=SMAJ5.0A-E3/61GICT-ND, Supplier Part Number 5=625-SMAJ5.0A-E3, Supplier Part Number 6=F11528CT-ND, Supplier Part Number 7=863-SZ1SMA5.0AT3G, Termination=SMD/SMT, Voltage Rating (DC)=5V, Width=2.92mm, Working Voltage=5V